# KiCad board control.kicad_pcb (continued)
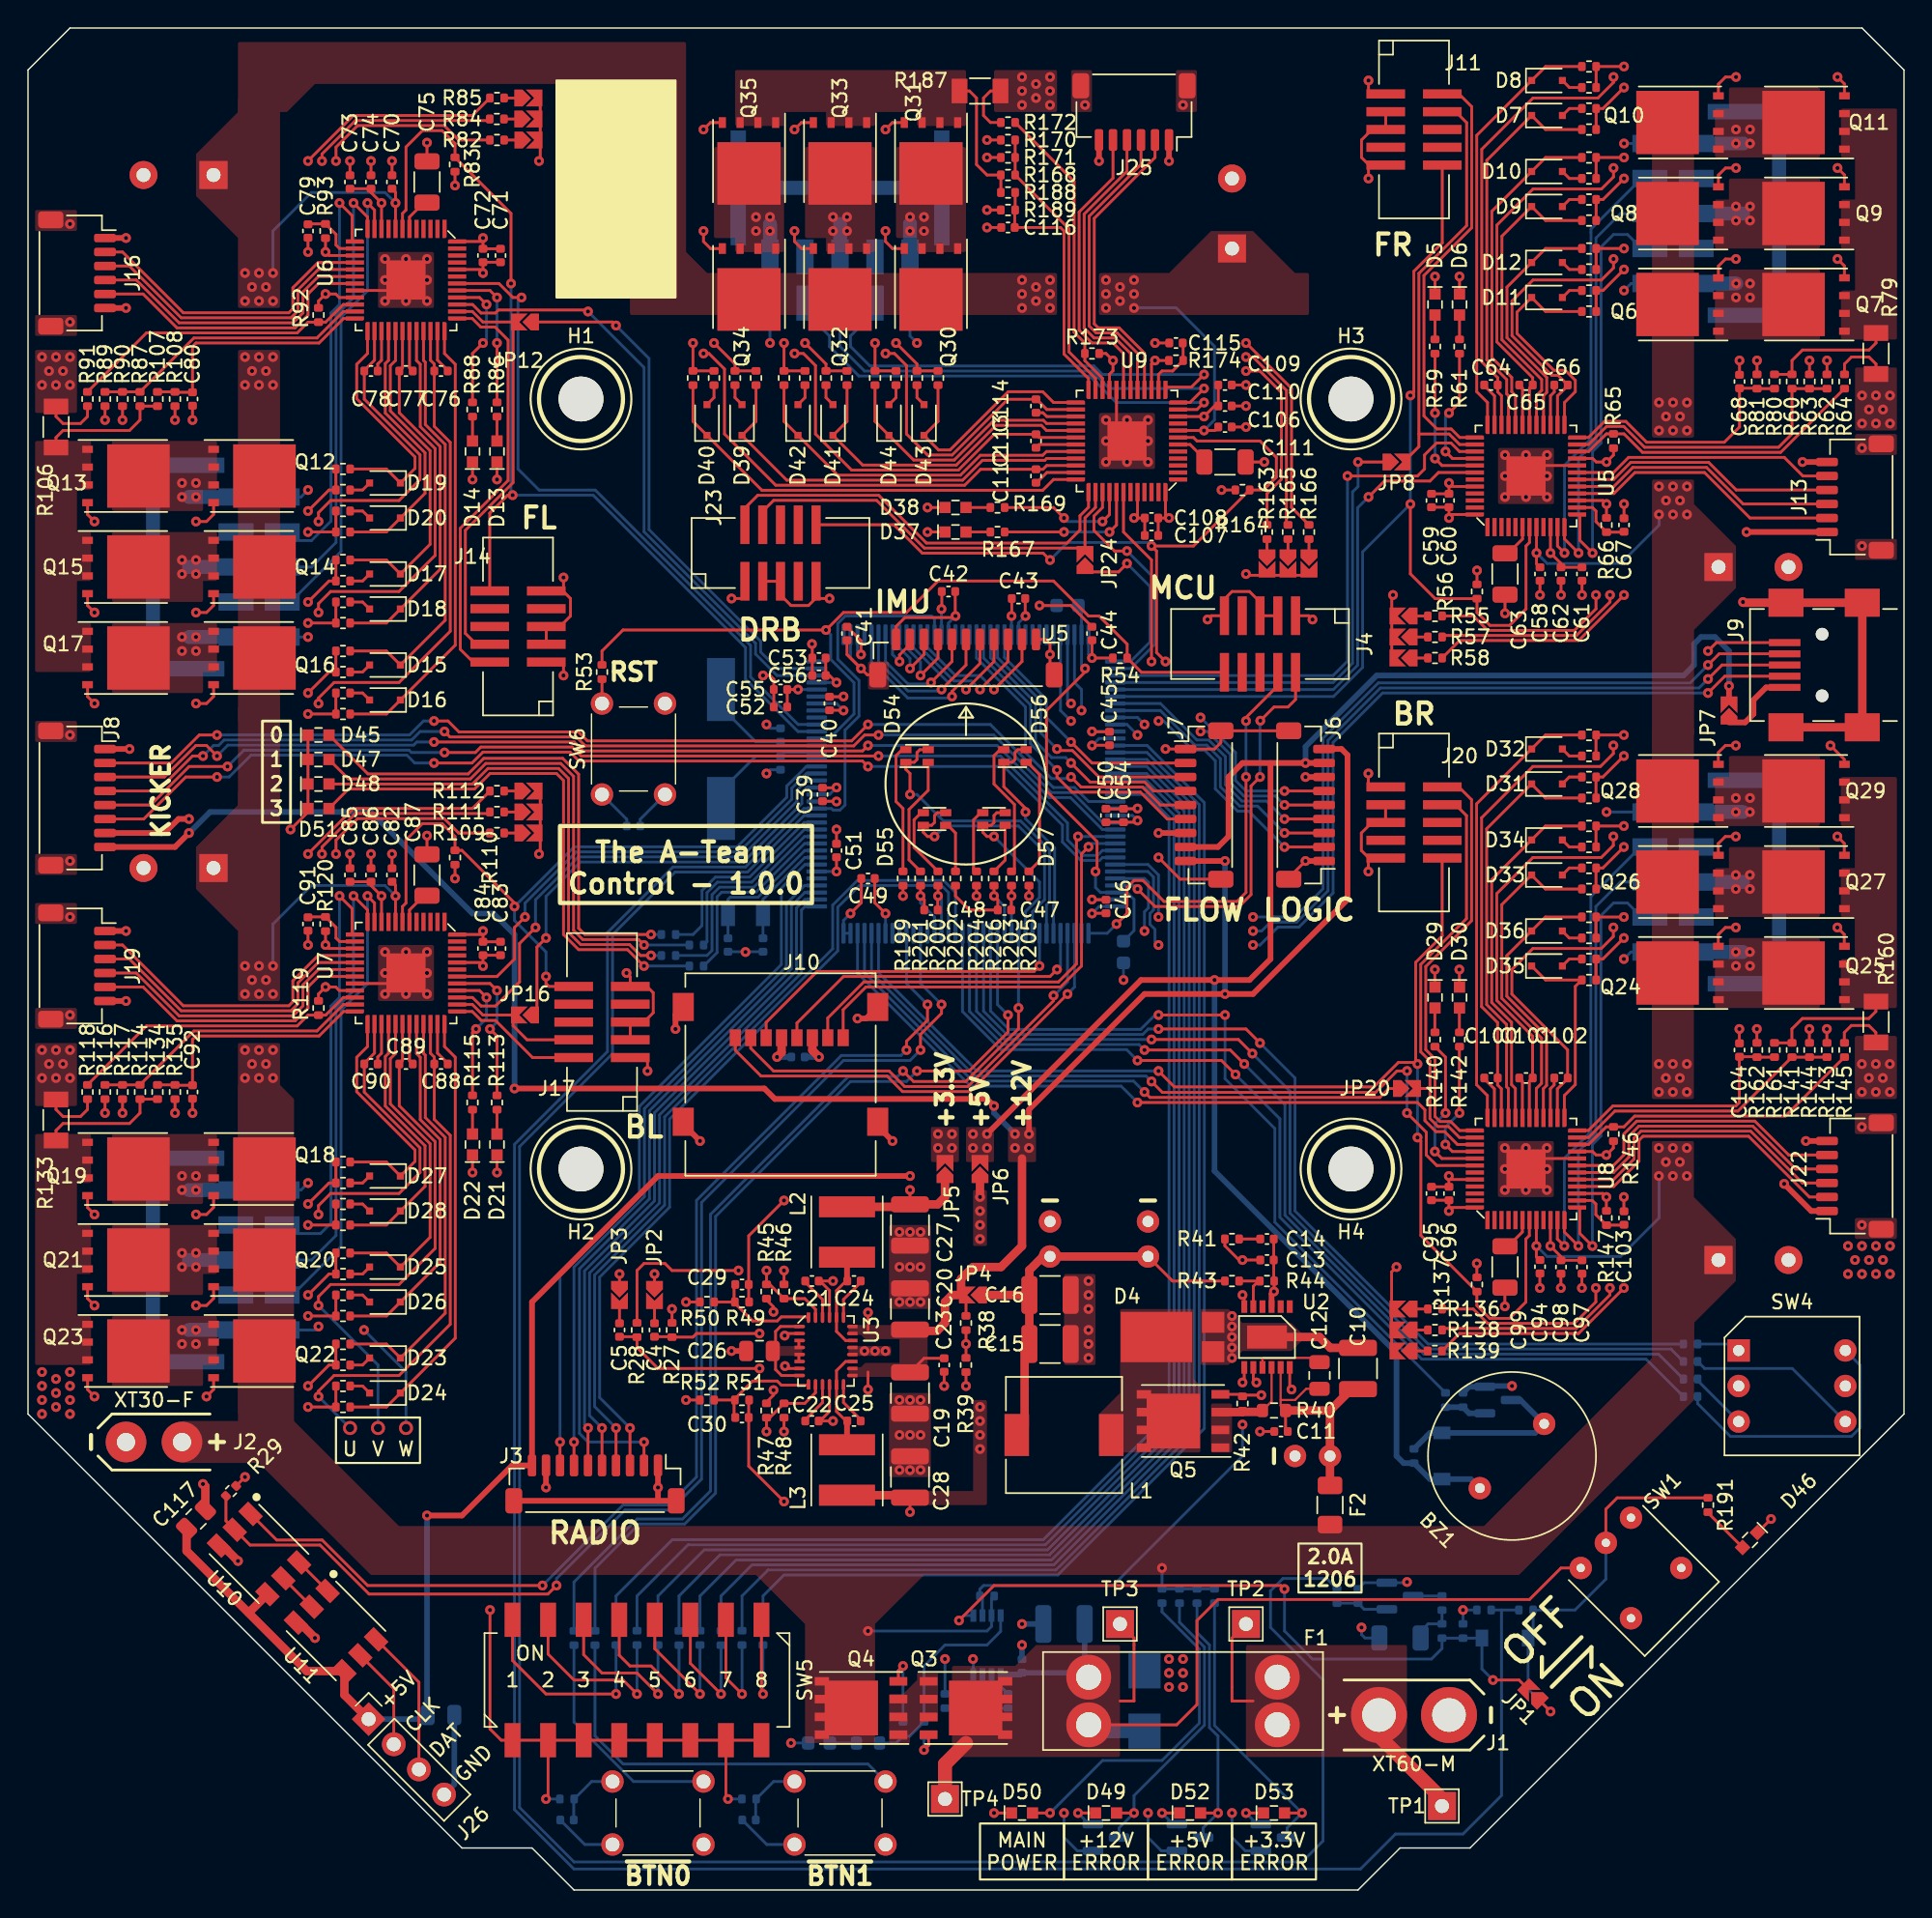
[diagram p0: board, top side]
## Routing (per net, layer and track width the routed paths; a pad name or vN(x,y) marks a point on that pad's centre or on a via; arc(x,y) is an arc through that point) (continued)
/MCU/IMU.~{SS}1: length 4
  Top w0.2: v1(62.25,87.75) 62.25,88.22 63,88.97 J5.10
  Bottom w0.2: U4.44 61.75,88.25 v1(62.25,87.75)
/MCU/IMU.~{SS}2: length 5.2
  Top w0.2: v1(63,87.25) 64,88.25 J5.9
  Bottom w0.2: v1(63,87.25) 63,87.96 62.25,88.71 U4.45
/MCU/IMU.~{SS}3: length 6.4
  Top w0.2: v1(63.75,86.75) 65,88 J5.8
  Bottom w0.2: U4.46 62.75,88.72 63.75,87.72 v1(63.75,86.75)
/MCU/KICKER.BOOT0/KICK: length 78.1
  Top w0.2: v1(29.75,81.25) 31.95,81.25 32.34,81.64 38.87,81.64 39.51,81 v1(60.75,81) ; J8.5 8.76,77.5 11.51,80.25 v1(14.25,80.25)
  Bottom w0.2: U4.100 76.74,74.25 76.39,73.9 75.36,73.9 74.25,75 74.25,76.21 69.46,81 v1(60.75,81) ; v1(29.75,81.25) 27.38,81.25 27.21,81.42 15.42,81.42 v1(14.25,80.25)
/MCU/KICKER.DET: length 76.8
  Top w0.2: v1(13.5,82.5) 12.23,82.5 10.23,80.5 J8.2 ; v1(60,83.25) 58.83,82.08 39.96,82.08 39.32,82.72 30.78,82.72 30,83.5 v1(29,83.5)
  Bottom w0.2: v1(29,83.5) 28.25,83.5 27.25,82.5 v1(13.5,82.5) ; U4.93 75.76,77.75 74.76,78.75 73.24,78.75 68.74,83.25 v1(60,83.25)
/MCU/KICKER.RX/FAULT: length 76.7
  Top w0.2: J8.3 9.74,79.5 11.99,81.75 12.75,81.75 v1(13.5,81) ; v1(29,82) 39.02,82 39.66,81.36 59.61,81.36 v1(60,81.75)
  Bottom w0.2: v1(60,81.75) 69.22,81.75 72.94,78.03 74.46,78.03 76.74,75.75 U4.97 ; v1(13.5,81) 14.28,81.78 27.55,81.78 27.77,82 v1(29,82)
/MCU/KICKER.TX/CHIP: length 77.3
  Top w0.2: v1(12.5,81) 11.75,81 9.25,78.5 J8.4 ; v1(29.75,82.75) 30.14,82.36 39.17,82.36 39.81,81.72 58.98,81.72 59.76,82.5 v1(60.75,82.5)
  Bottom w0.2: v1(29.75,82.75) 28.01,82.75 27.4,82.14 14,82.14 13.61,81.75 13.25,81.75 v1(12.5,81) ; U4.96 76.75,76.25 74.61,78.39 73.09,78.39 68.98,82.5 v1(60.75,82.5)
/MCU/KICKER.~{RST}/CHG: length 78.6
  Top w0.2: v1(13.5,79.5) 11.27,79.5 8.27,76.5 J8.6 ; v1(60,80.25) 59.61,80.64 39.36,80.64 38.72,81.28 32.49,81.28 31.71,80.5 v1(29,80.5)
  Bottom w0.2: v1(60,80.25) 69.7,80.25 73.89,76.06 73.89,74.86 75.21,73.54 76.54,73.54 76.75,73.75 U4.101 ; v1(29,80.5) 27.62,80.5 27.06,81.06 15.92,81.06 14.36,79.5 v1(13.5,79.5)
/MCU/LOGIC.CK: length 19.5
  Top w0.2: J6.4 v1(89.75,76.5)
  Bottom w0.2: U4.79 80.89,84.75 83.5,82.14 84.34,82.14 85.53,80.95 85.53,78.95 86.7,77.78 88.47,77.78 v1(89.75,76.5)
/MCU/LOGIC.NSS: length 19.7
  Top w0.2: J6.3 v1(89.75,75.5)
  Bottom w0.2: v1(89.75,75.5) 87.83,77.42 86.55,77.42 85.17,78.8 85.17,80.8 84.19,81.78 83.35,81.78 80.88,84.25 U4.80
/MCU/LOGIC.RX: length 27.1
  Top w0.2: v1(89.75,77.5) J6.5
  In2.Cu w0.2: v1(83.75,82.75) 82,84.5 75.5,84.5 v1(75.25,84.25)
  Bottom w0.2: U4.70 74.75,86.25 75.25,85.75 v1(75.25,84.25) ; v1(83.75,82.75) 84.24,82.75 85.89,81.1 85.89,79.1 86.85,78.14 89.11,78.14 v1(89.75,77.5)
/MCU/LOGIC.TX: length 26.9
  Top w0.2: v1(89.75,78.5) J6.6
  In2.Cu w0.2: v1(74.5,84.75) 74.61,84.86 82.64,84.86 v1(83.75,83.75)
  Bottom w0.2: U4.69 74.25,85 v1(74.5,84.75) ; v1(89.75,78.5) 87,78.5 86.25,79.25 86.25,81.25 v1(83.75,83.75)
/MCU/LOGIC.~{DET}: length 30
  Top w0.2: J6.2 v1(89.75,74.5)
  In2.Cu w0.2: v1(74.5,83.5) 74.64,83.64 75.5,83.64 76,84.14 80.11,84.14 v1(80.75,83.5)
  Bottom w0.2: v1(80.75,83.5) 81.12,83.5 83.2,81.42 84.04,81.42 84.81,80.65 84.81,78.65 86.4,77.06 87.19,77.06 v1(89.75,74.5) ; v1(74.5,83.5) 73.75,84.25 U4.68
/MCU/MOTOR_{BL}.BOOT0: length 34.1
  Top w0.2: v1(35.5,69.5) 34.75,68.75 34.75,66.5 33.5,65.25 U7.42
  Bottom w0.2: v1(35.5,69.5) 35.5,70.49 39.16,74.15 50.8,74.15 54.56,77.91 54.56,78.7 55.61,79.75 U4.20
/MCU/MOTOR_{BL}.RX: length 31.8
  Top w0.2: v1(37,68) 36.35,67.35 JP16.1
  Bottom w0.2: U4.18 55.63,78.75 55.28,78.4 55.28,77.61 51.1,73.43 39.46,73.43 37,70.97 v1(37,68)
/MCU/MOTOR_{BL}.TX: length 35.8
  Top w0.2: v1(36.25,68.75) 35.11,67.61 35.11,64.86 33.39,63.14 32.36,63.14 31.75,63.75 U7.39
  Bottom w0.2: v1(36.25,68.75) 36.25,70.73 39.31,73.79 50.95,73.79 54.92,77.76 54.92,78.55 55.62,79.25 U4.19
/MCU/MOTOR_{BL}.~{RST}: length 52.1
  Top w0.2: v1(34.75,70.25) 34.75,70.5 30.99,74.26 R110.2 30.5,75.25 29.58,76.17 28.17,76.17 27,75 27,70.5 26.75,70.25 U7.7 ; v1(37,65.25) 37,64.75 37.21,64.54 J17.10
  Bottom w0.2: v1(37,65.25) 37,67 34.75,69.25 v1(34.75,70.25) 39.01,74.51 50.65,74.51 54.2,78.06 54.2,78.85 55.6,80.25 U4.21
/MCU/MOTOR_{BR}.BOOT0: length 55.6
  Top w0.2: U8.42 100.63,51.75 99.88,52.5 99.88,54.12 v1(98.5,55.5) ; v1(98.5,58.5) 97.78,58.5 96.25,56.97 81.03,56.97 v1(80.25,57.75)
  Bottom w0.2: U4.140 60.25,65.52 67.63,58.14 79.86,58.14 v1(80.25,57.75) ; v1(98.5,55.5) v1(98.5,58.5)
/MCU/MOTOR_{BR}.RX: length 44.7
  Top w0.2: v1(79.75,57) 80.14,56.61 96.56,56.61 97.2,57.25 JP20.1
  Bottom w0.2: U4.141 59.75,65.51 67.48,57.78 78.97,57.78 v1(79.75,57)
/MCU/MOTOR_{BR}.TX: length 52.5
  Top w0.2: v1(79.25,56.25) 99.25,56.25 99.78,55.72 99.78,54.95 100.56,54.17 101.18,54.17 102.1,53.25 U8.39
  Bottom w0.2: v1(79.25,56.25) 78.08,57.42 67.33,57.42 59.25,65.5 U4.142
/MCU/MOTOR_{BR}.~{RST}: length 90.3
  Top w0.2: v1(99.25,53.75) 99.49,53.51 99.49,46.75 103.49,42.75 103.49,41.75 104.41,40.83 105.82,40.83 106.99,42 106.99,46.5 107.24,46.75 107.24,47.85 ; v1(80.75,58.5) 81.89,57.36 96.14,57.36 97.88,59.11 99.14,59.11 v1(99.25,59) 99.12,59.13 99.12,66.26 101.01,68.15 101.01,73.71
  Bottom w0.2: v1(80.75,58.5) 67.78,58.5 60.75,65.53 U4.139 ; v1(99.25,59) v1(99.25,53.75)
/MCU/MOTOR_{DRB}.BOOT0: length 20.6
  Top w0.2: U9.42 78.25,97 80.25,95 v1(80.25,87.75)
  In1.Cu w0.2: v1(80.25,87.75) 80.25,86.01 79.39,85.15 79.39,83.75 79.14,83.5 79.14,82.61 v1(79.25,82.5)
  Bottom w0.2: U4.82 78.5,83.25 v1(79.25,82.5)
/MCU/MOTOR_{DRB}.RX: length 12.6
  Top w0.2: JP24.1 77.9,94.15 v1(78.5,94.75)
  Bottom w0.2: v1(78.5,94.75) 80.14,93.11 80.14,89.14 78.75,87.75 U4.73
/MCU/MOTOR_{DRB}.TX: length 17
  Top w0.2: v1(78.5,95.64) 77.61,95.64 76.14,97.11 76.14,98.14 76.75,98.75 U9.39
  Bottom w0.2: v1(78.5,95.64) 80.5,93.64 80.5,88.99 78.76,87.25 U4.74
/MCU/MOTOR_{DRB}.~{RST}: length 61.7
  Top w0.2: v1(73,95) 72.51,95.49 63.88,95.49 61.85,97.52 J23.10 ; v1(81.25,87.75) 80.61,88.39 80.61,95.64 v1(80.25,96) 83.25,96 87.25,100 R164.2 88.25,100 89.17,100.92 89.17,102.33 88,103.5 83.5,103.5 83.25,103.75 U9.7
  In1.Cu w0.2: v1(81.25,87.75) 81.25,86.5 79.75,85 v1(79.75,83.25)
  Bottom w0.2: U4.81 79.25,83.75 v1(79.75,83.25) ; v1(73,95) 74.25,96.25 80,96.25 v1(80.25,96)
/MCU/MOTOR_{FL}.BOOT0: length 47.6
  Top w0.2: U6.42 33.64,114.75 34.64,113.75 v1(35.25,113.75)
  Bottom w0.2: v1(35.25,113.75) 35,113.5 35,101.5 36.51,99.99 40.52,99.99 51.61,88.9 51.61,86.65 55.01,83.25 U4.27
/MCU/MOTOR_{FL}.RX: length 37.8
  Top w0.2: JP12.1 41.75,112 v1(42,111.75)
  Bottom w0.2: U4.35 53.51,87.25 52.33,88.43 52.33,89.2 44.36,97.17 44.36,109.39 v1(42,111.75)
/MCU/MOTOR_{FL}.TX: length 44.2
  Top w0.2: U6.39 31.75,113.25 32.36,112.64 33.39,112.64 33.61,112.86 39.89,112.86 v1(40,112.75)
  Bottom w0.2: v1(40,112.75) 44,108.75 44,97.02 51.97,89.05 51.97,88.28 53.5,86.75 U4.34
/MCU/MOTOR_{FL}.~{RST}: length 74.9
  Top w0.2: J14.10 32.98,98.35 34.26,99.63 v1(34.62,99.63) ; U6.7 26.75,119.75 27,120 27,124.5 28.17,125.67 29.58,125.67 30.5,124.75 R83.2 30.5,123.75 34.5,119.75 v1(34.5,114.75)
  Bottom w0.2: v1(34.5,114.75) 34.5,99.75 v1(34.62,99.63) 40.37,99.63 51.25,88.75 51.25,86.5 55,82.75 U4.26
/MCU/MOTOR_{FR}.BOOT0: length 38.7
  Top w0.2: v1(95.75,99.5) 96.89,100.64 100.14,100.64 100.75,101.25 U5.42
  Bottom w0.2: U4.77 93.24,85.75 94.97,87.48 94.97,98.72 v1(95.75,99.5)
/MCU/MOTOR_{FR}.RX: length 34.7
  Top w0.2: 97.65,102 v1(95,102)
  Bottom w0.2: v1(95,102) 95,100.25 94.61,99.86 94.61,87.63 93.23,86.25 U4.76
/MCU/MOTOR_{FR}.TX: length 41.2
  Top w0.2: U5.39 102.25,102.75 101.64,103.36 100.61,103.36 99.75,102.5 99.75,101.5 99.25,101 v1(94.25,101)
  Bottom w0.2: v1(94.25,101) 94.25,87.78 93.22,86.75 U4.75
/MCU/MOTOR_{FR}.~{RST}: length 78.5
  Top w0.2: U5.7 107.25,96.25 107,96 107,91.5 105.83,90.33 104.42,90.33 103.5,91.25 R56.2 100.51,92.24 98.74,94.01 v1(98.74,98.99) ; J11.10 101.02,117.65 98.99,115.62 98.99,107 v1(98.74,106.75)
  Bottom w0.2: v1(98.74,106.75) v1(98.74,98.99) 95.33,95.58 95.33,87.33 93.25,85.25 U4.78
/MCU/MotorBL/ENCODER_{A}: length 21.7
  Top w0.2: U7.17 20.73,66.25 19.28,64.8 19.28,63.3 18.78,62.8 10.94,62.8 7.24,66.5 J19.3
/MCU/MotorBL/ENCODER_{B}: length 21.4
  Top w0.2: U7.18 20.74,65.75 19.64,64.65 19.64,63.15 18.93,62.44 10.79,62.44 7.73,65.5 J19.4
/MCU/MotorBL/ENCODER_{Z}: length 21
  Top w0.2: J19.5 8.22,64.5 10.64,62.08 19.08,62.08 20,63 20,64.5 20.75,65.25 U7.19
/MCU/MotorBL/ENCODER_{~{DET}}: length 22
  Top w0.2: U7.16 20.72,66.75 18.92,64.95 18.92,63.45 18.63,63.16 11.09,63.16 6.75,67.5 J19.2
/MCU/MotorBL/HALL_{1}: length 50.3
  Top w0.2: v1(22,74) 22,74.99 23.54,76.53 29.73,76.53 30.76,75.5 R109.2 ; v1(24.25,71) 24.75,70.5 24.75,69.35
  In2.Cu w0.2: v1(22,74) 22,73.25 v1(24.25,71)
  Bottom w0.2: v1(24.25,71) 24.25,64.73 22.36,62.84 22.36,45.97 18.9,42.5 J18.4
/MCU/MotorBL/HALL_{2}: length 48.9
  Top w0.2: 32.98,77 32.87,76.89 23.39,76.89 21,74.5 v1(21,74) ; 24.25,69.35 24.25,70 v1(23.25,71)
  In2.Cu w0.2: v1(21,74) 21,73.25 v1(23.25,71)
  Bottom w0.2: J18.3 20.25,45 22,46.75 22,62.99 23.25,64.24 v1(23.25,71)
/MCU/MotorBL/HALL_{3}: length 49.6
  Top w0.2: v1(20,74) 20,74.01 23.24,77.25 31.75,77.25 32.99,78.49 R112.2 ; v1(22.25,71) 23.15,70.1 23.15,68.25
  In2.Cu w0.2: v1(22.25,71) 20,73.25 v1(20,74)
  Bottom w0.2: v1(22.25,71) 22.25,63.75 21.64,63.14 21.64,47.64 20.89,46.89 19.23,46.89 18.62,47.5 J18.2
/MCU/MotorBL/I_{SENSE(AMPLIFIED)}: length 9.6
  Top w0.2: R119.2 20.75,64 v1(21.25,64.5) 21.98,64.5 22.23,64.25 U7.21 ; R120.1 v1(21.25,67.5) 21.5,67.25 U7.15
  In2.Cu w0.2: v1(21.25,67.5) v1(21.25,64.5)
/MCU/MotorBL/I_{SENSE(FILTERED)}: length 4.5
  Top w0.2: C91.1 20.03,69.51 R120.2 22,68.76 22,68 22.25,67.75 U7.14
/MCU/MotorBL/I_{SENSE(RAW)}: length 9.5
  Top w0.2: R133.1 2,54.25 2.5,54.75 7.25,54.75 8,55.5 R114.1 R134.1
/MCU/MotorBL/MOTOR_{U}: length 51.1
  Top w0.2: U7.34 28.75,59.77 29.02,59.5 C88.2 29.02,55.04 30.16,53.9 30.16,40.41 26.5,36.75 21.86,36.75 20.75,35.64 v1(20.75,35.25)
  In2.Cu w0.2: v1(12,39) 17.86,39 20.75,36.11 v1(20.75,35.25)
  Bottom w0.2: v1(20.75,35.25) v2(23,33)
  Bottom w1: J18.10 11.5,40
  vias: v1(11,40) v1(11,39) v1(12,40)
/MCU/MotorBL/MOTOR_{V}: length 51.8
  Top w0.2: v1(20.75,41.75) 20.75,42.39 21.61,43.25 26.5,43.25 29.08,45.83 29.08,53.46 26.52,56.02 C89.2 26.75,59.23 U7.30
  In2.Cu w0.2: v1(12,44.5) 18.86,44.5 20.75,42.61 v1(20.75,41.75)
  Bottom w0.2: v2(25,33) 25,37.5 v1(20.75,41.75)
  Bottom w1: J18.8 11.5,45
  vias: v1(11,45.5) v1(11,44.5) v1(12,45.5)
/MCU/MotorBL/MOTOR_{W}: length 53.2
  Top w0.2: U7.26 24.75,59.78 24.02,59.05 C90.2 24.02,56.99 28,53.01 28,51.25 26.5,49.75 21.61,49.75 20.75,48.89 v1(20.75,48.25)
  In1.Cu w0.2: v1(24,40) 23,40 22,41 22,47 v1(20.75,48.25)
  In2.Cu w0.2: v1(20.75,48.25) 20.75,49.11 20.25,49.61 12.39,49.61 v1(12,50)
  Bottom w0.2: v2(27,33) 27,37 v1(24,40)
  Bottom w1: J18.6 11.5,50
  vias: v1(11,51) v1(11,50) v1(12,51)
/MCU/MotorBL/SWDCLK: length 9.8
  Top w0.2: U7.38 31.74,63.25 32.49,62.5 JP16.2 34.65,61.73 35.65,60.73 J17.4
/MCU/MotorBL/SWDIO: length 9.7
  Top w0.2: U7.37 31.73,62.75 32.37,62.11 33.39,62.11 36.04,59.46 J17.2
/MCU/MotorBR/ENCODER_{A}: length 21.7
  Top w0.2: 110.64,50.75 113.26,50.75 114.71,52.2 114.71,53.7 115.21,54.2 123.05,54.2 126.75,50.5 128.49,50.5
/MCU/MotorBR/ENCODER_{B}: length 21.4
  Top w0.2: 128.49,51.5 126.26,51.5 123.2,54.56 115.06,54.56 114.35,53.85 114.35,52.35 113.25,51.25 110.64,51.25
/MCU/MotorBR/ENCODER_{Z}: length 21
  Top w0.2: 128.49,52.5 125.77,52.5 123.35,54.92 114.91,54.92 113.99,54 113.99,52.5 113.24,51.75 110.64,51.75
/MCU/MotorBR/ENCODER_{~{DET}}: length 22
  Top w0.2: 128.49,49.5 127.24,49.5 122.9,53.84 115.36,53.84 115.07,53.55 115.07,52.05 113.27,50.25 110.64,50.25
/MCU/MotorBR/HALL_{1}: length 50.3
  Top w0.2: v1(111.99,43) 111.99,42.01 110.45,40.47 104.26,40.47 103.23,41.5 R136.2 ; 109.24,47.65 109.24,46.5 v1(109.74,46)
  In2.Cu w0.2: 109.75,46 112,43.75 112,43
  Bottom w0.2: J21.4 115.18,74.5 111.63,70.95 111.63,54.16 109.74,52.27 v1(109.74,46)
/MCU/MotorBR/HALL_{2}: length 48.9
  Top w0.2: v1(112.99,43) 112.99,42.5 110.6,40.11 101.12,40.11 R138.2 ; v1(110.74,46) 109.74,47 109.74,47.65
  In2.Cu w0.2: 113,43 113,43.75 110.75,46
  Bottom w0.2: J21.3 113.74,72 111.99,70.25 111.99,54.01 110.74,52.76 v1(110.74,46)
/MCU/MotorBR/HALL_{3}: length 50.1
  Top w0.2: v1(113.99,43) 113.99,42.99 110.75,39.75 102.25,39.75 R139.2 ; 110.84,48.75 110.84,46.9 v1(111.74,46)
  In2.Cu w0.2: 111.75,46 114,43.75 114,43
  Bottom w0.2: J21.2 115.25,69.5 114.25,70.5 113.25,70.5 112.35,69.6 112.35,53.86 111.74,53.25 v1(111.74,46)
/MCU/MotorBR/I_{SENSE(AMPLIFIED)}: length 9.6
  Top w0.2: 112.74,48.51 v1(112.74,49.5) 112.49,49.75 110.64,49.75 ; 113.24,53.49 113.24,53 v1(112.74,52.5) 112.01,52.5 111.76,52.75 110.64,52.75
  In2.Cu w0.2: 112.75,49.5 112.75,52.5
/MCU/MotorBR/I_{SENSE(FILTERED)}: length 4.5
  Top w0.2: 110.64,49.25 111.74,49.25 111.99,49 111.99,48.24 112.74,47.49 113.96,47.49 113.99,47.52
/MCU/MotorBR/I_{SENSE(RAW)}: length 9.5
  Top w0.2: 131.99,63.46 131.99,62.75 131.49,62.25 126.74,62.25 125.99,61.5 125.99,60.51 124.74,60.51
/MCU/MotorBR/MOTOR_{U}: length 47.2
  Top w0.2: v1(113.24,81.75) 113.24,81.18 112.31,80.25 107.49,80.25 103.83,76.59 103.83,63.1 104.97,61.96 104.97,57.5 105.24,57.23 105.24,55.15
  In2.Cu w0.2: 122,78 115.94,78 113.25,80.69 113.25,81.75
  Bottom w1: 120.13,77 122.49,77
  vias: v1(121.99,78) v1(121.99,77) v1(123,78) v1(122.99,77)
/MCU/MotorBR/MOTOR_{V}: length 40.4
  Top w0.2: 107.24,55.15 107.24,57.77 107.47,58 107.47,60.98 104.91,63.54 104.91,71.17 107.49,73.75 112.38,73.75 113.24,74.61 v1(113.24,75.25)
  In2.Cu w0.2: 113.25,75.25 113.25,74.19 114.94,72.5 122,72.5
  Bottom w1: 120.13,72 122.49,72
  vias: v1(121.99,72.5) v1(121.99,71.5) v1(122.99,72.5) v1(122.99,71.5)
/MCU/MotorBR/MOTOR_{W}: length 33.8
  Top w0.2: 109.24,55.15 109.24,57.22 109.97,57.95 109.97,60.01 105.99,63.99 105.99,65.75 107.49,67.25 112.38,67.25 113.24,68.11 v1(113.24,68.75)
  In2.Cu w0.2: 113.25,68.75 113.25,67.75 113.61,67.39 121.61,67.39 122,67
  Bottom w1: 120.13,67 122.49,67
  vias: v1(121.99,67) v1(122,66) v1(122.99,67) v1(123,66)
/MCU/MotorBR/SWDCLK: length 29.9
  Top w0.2: 101.01,77.52 101.97,77.52 102.75,76.74 102.75,69.38 99.48,66.11 99.48,59.87 100.14,59.21 100.14,55.1 100.71,54.53 101.47,54.53 102.25,53.75 103.34,53.75 ; JP20.2 100.14,57.25
/MCU/MotorBR/SWDIO: length 30
  Top w0.2: 101.01,78.79 102.2,78.79 103.11,77.88 103.11,69.23 99.84,65.96 99.84,60.02 100.5,59.36 100.5,55.25 100.86,54.89 101.62,54.89 102.26,54.25 103.34,54.25
/MCU/MotorDRB/ENCODER_{A}: length 21.7
  Top w0.2: J25.3 79.5,123.26 75.8,119.56 75.8,111.72 76.3,111.22 77.8,111.22 79.25,109.77 U9.17
/MCU/MotorDRB/ENCODER_{B}: length 21.4
  Top w0.2: J25.4 78.5,122.77 75.44,119.71 75.44,111.57 76.15,110.86 77.65,110.86 78.75,109.76 U9.18
/MCU/MotorDRB/ENCODER_{Z}: length 21
  Top w0.2: U9.19 78.25,109.75 77.5,110.5 76,110.5 75.08,111.42 75.08,119.86 77.5,122.28 J25.5
/MCU/MotorDRB/ENCODER_{~{DET}}: length 22
  Top w0.2: U9.16 79.75,109.78 77.95,111.58 76.45,111.58 76.16,111.87 76.16,119.41 80.5,123.75 J25.2
/MCU/MotorDRB/HALL_{1}: length 51.1
  Top w0.2: v1(87,108.5) 87.99,108.5 89.53,106.96 89.53,100.77 88.5,99.74 88.5,97.52 ; 82.35,105.75 83.5,105.75 v1(84,106.25)
  In2.Cu w0.2: 87,108.51 86.25,108.51 84,106.26
  Bottom w0.2: v1(84,106.25) 77.73,106.25 75.84,108.14 59.35,108.14 57.25,110.24 57.25,111 55.5,112.75 55.5,113.34
/MCU/MotorDRB/HALL_{2}: length 49.8
  Top w0.2: v1(87,109.5) 87.5,109.5 89.89,107.11 89.89,97.63 90,97.52 ; v1(84,107.25) 83,106.25 82.35,106.25
  In2.Cu w0.2: 84,107.26 86.25,109.51 87,109.51
  Bottom w0.2: v1(84,107.25) 77.24,107.25 75.99,108.5 59.75,108.5 58,110.25 58,113.34
/MCU/MotorDRB/HALL_{3}: length 51.8
  Top w0.2: R166.2 90.25,98.76 90.25,107.26 87.01,110.5 v1(87,110.5) ; 81.25,107.35 83.1,107.35 v1(84,108.25)
  In2.Cu w0.2: 84,108.26 86.25,110.51 87,110.51
  Bottom w0.2: v1(84,108.25) 76.75,108.25 76.14,108.86 60.14,108.86 58.75,110.25 58.75,111 60.5,112.75 60.5,113.34
/MCU/MotorDRB/I_{SENSE(AMPLIFIED)}: length 9.6
  Top w0.2: R173.2 77,109.75 v1(77.5,109.25) 77.5,108.52 77.25,108.27 U9.21 ; U9.15 80.25,109 v1(80.5,109.25) R174.1
  In2.Cu w0.2: 80.5,109.26 77.5,109.26
/MCU/MotorDRB/I_{SENSE(FILTERED)}: length 4.5
  Top w0.2: U9.14 80.75,108.25 81,108.5 81.76,108.5 R174.2 82.51,110.47 C115.1
/MCU/MotorDRB/I_{SENSE(RAW)}: length 9.5
  Top w0.2: R187.1 67.25,128.5 67.75,128 67.75,123.25 68.5,122.5 R168.1 R188.1
/MCU/MotorDRB/MOTOR_{U}: length 47.1
  Top w0.2: v1(48.25,109.75) 48.64,109.75 49.75,108.64 49.75,104 53.41,100.34 66.9,100.34 68.04,101.48 C112.2 72.5,101.48 72.77,101.75 U9.34
  In2.Cu w0.2: 52,118.51 52,112.5 49.26,109.76 48.25,109.76
  Bottom w1: 53,116.64 53,119
  vias: v1(52,119.5) v1(52,118.5) v1(53,119.5) v1(53,118.5)
/MCU/MotorDRB/MOTOR_{V}: length 40.4
  Top w0.2: v1(54.75,109.75) 55.39,109.75 56.25,108.89 56.25,104 58.83,101.42 66.46,101.42 69.02,103.98 C113.2 72.23,103.75 U9.30
  In2.Cu w0.2: 54.75,109.76 55.76,109.76 57.5,111.5 57.5,118.51
  Bottom w1: 58,116.64 58,119
  vias: v1(57.5,119.5) v1(57.5,118.5) v1(58.5,119.5) v1(58.5,118.5)
/MCU/MotorDRB/MOTOR_{W}: length 33.8
  Top w0.2: U9.26 72.78,105.75 72.05,106.48 C114.2 69.99,106.48 66.01,102.5 64.25,102.5 62.75,104 62.75,108.89 61.89,109.75 v1(61.25,109.75)
  In2.Cu w0.2: 63,118.51 62.61,118.12 62.61,110.11 62.26,109.76 61.25,109.76
  Bottom w1: 63,116.64 63,119
  vias: v1(63,119.5) v1(63,118.5) v1(64,119.5) v1(64,118.5)
/MCU/MotorDRB/SWDCLK: length 30
  Top w0.2: J23.4 52.48,98.48 53.26,99.26 60.62,99.26 64.03,95.85 JP24.2 75.5,98.01 76.25,98.76 U9.38
/MCU/MotorDRB/SWDIO: length 30.3
  Top w0.2: J23.2 51.21,98.71 52.12,99.62 60.77,99.62 64.18,96.21 74.21,96.21 75.14,97.14 75.14,98.16 75.75,98.77 U9.37
/MCU/MotorFL/ENCODER_{A}: length 21.7
  Top w0.2: U6.17 20.73,115.75 19.28,114.3 19.28,112.8 18.78,112.3 10.94,112.3 7.24,116 J16.3
/MCU/MotorFL/ENCODER_{B}: length 21.4
  Top w0.2: J16.4 7.73,115 10.79,111.94 18.93,111.94 19.64,112.65 19.64,114.15 20.74,115.25 U6.18
/MCU/MotorFL/ENCODER_{Z}: length 21
  Top w0.2: J16.5 8.22,114 10.64,111.58 19.08,111.58 20,112.5 20,114 20.75,114.75 U6.19
/MCU/MotorFL/ENCODER_{~{DET}}: length 22
  Top w0.2: J16.2 6.75,117 11.09,112.66 18.63,112.66 18.92,112.95 18.92,114.45 20.72,116.25 U6.16
/MCU/MotorFL/HALL_{1}: length 50.2
  Top w0.2: v1(24.25,120.5) 24.75,120 24.75,118.85 ; R82.2 30.76,125 29.73,126.03 23.54,126.03 22,124.49 v1(22,123.5)
  In2.Cu w0.2: v1(22,123.5) 22,122.75 v1(24.25,120.5)
  Bottom w0.2: v1(24.25,120.5) 24.25,114.23 22.36,112.34 22.36,95.61 18.75,92 J15.4
/MCU/MotorFL/HALL_{2}: length 48.8
  Top w0.2: v1(23.25,120.5) 24.25,119.5 24.25,118.85 ; R84.2 32.87,126.39 23.39,126.39 21,124 v1(21,123.5)
  In2.Cu w0.2: v1(23.25,120.5) 21,122.75 v1(21,123.5)
  Bottom w0.2: J15.3 20.25,94.5 22,96.25 22,112.49 23.25,113.74 v1(23.25,120.5)
/MCU/MotorFL/HALL_{3}: length 49.2
  Top w0.2: 23.15,117.75 23.15,119.6 v1(22.25,120.5) ; R85.2 31.74,126.75 23.24,126.75 20,123.51 v1(20,123.5)
  In2.Cu w0.2: v1(20,123.5) 20,122.75 v1(22.25,120.5)
  Bottom w0.2: v1(22.25,120.5) 22.25,113.25 21.64,112.64 21.64,97.78 20.25,96.39 18.77,96.39 J15.2
/MCU/MotorFL/I_{SENSE(AMPLIFIED)}: length 9.6
  Top w0.2: U6.15 21.5,116.75 v1(21.25,117) R93.1 ; U6.21 22.23,113.75 21.98,114 v1(21.25,114) 20.75,113.5 R92.2
  In2.Cu w0.2: v1(21.25,117) v1(21.25,114)
/MCU/MotorFL/I_{SENSE(FILTERED)}: length 4.5
  Top w0.2: C79.1 20.03,119.01 R93.2 22,118.26 22,117.5 22.25,117.25 U6.14
/MCU/MotorFL/I_{SENSE(RAW)}: length 9.5
  Top w0.2: R107.1 R87.1 8,105 7.25,104.25 2.5,104.25 2,103.75 R106.1
/MCU/MotorFL/MOTOR_{U}: length 47
  Top w0.2: U6.34 28.75,109.27 29.02,109 C76.2 29.02,104.54 30.16,103.4 30.16,89.91 26.5,86.25 21.86,86.25 20.75,85.14 v1(20.75,84.75)
  In2.Cu w0.2: v1(20.75,84.75) 20.75,85.61 17.86,88.5 v1(12,88.5)
  Bottom w1: 13.86,89.5 11.5,89.5
  vias: v1(11,89.5) v1(11,88.5) v1(12,89.5)
/MCU/MotorFL/MOTOR_{V}: length 40.3
  Top w0.2: U6.30 26.75,108.73 C77.2 26.52,105.52 29.08,102.96 29.08,95.33 26.5,92.75 21.61,92.75 20.75,91.89 v1(20.75,91.25)
  In2.Cu w0.2: v1(12,94) 18.86,94 20.75,92.11 v1(20.75,91.25)
  Bottom w1: 13.86,94.5 11.5,94.5
  vias: v1(11,95) v1(11,94) v1(12,95)
/MCU/MotorFL/MOTOR_{W}: length 33.8
  Top w0.2: U6.26 24.75,109.28 24.02,108.55 C78.2 24.02,106.49 28,102.51 28,100.75 26.5,99.25 21.61,99.25 20.75,98.39 v1(20.75,97.75)
  In2.Cu w0.2: v1(20.75,97.75) 20.75,98.61 20.25,99.11 12.39,99.11 v1(12,99.5)
  Bottom w1: 13.86,99.5 11.5,99.5
  vias: v1(11,100.5) v1(11,99.5) v1(12,100.5)
/MCU/MotorFL/SWDCLK: length 30
  Top w0.2: U6.38 31.74,112.75 32.49,112 JP12.2 34.65,100.53 31.24,97.12 31.24,89.76 32.02,88.98 J14.4
/MCU/MotorFL/SWDIO: length 30.3
  Top w0.2: J14.2 31.79,87.71 30.88,88.62 30.88,97.27 34.29,100.68 34.29,110.71 33.36,111.64 32.34,111.64 31.73,112.25 U6.37
/MCU/MotorFR/ENCODER_{A}: length 19.5
  Top w0.2: J13.3 122.51,99 119.9,101.61 114.63,101.61 113.27,100.25 U5.17
/MCU/MotorFR/ENCODER_{B}: length 19.2
  Top w0.2: J13.4 122.02,100 120.05,101.97 114.48,101.97 113.26,100.75 U5.18
/MCU/MotorFR/ENCODER_{Z}: length 18.8
  Top w0.2: U5.19 113.25,101.25 114.33,102.33 125.45,102.33 126.78,101 J13.5
/MCU/MotorFR/ENCODER_{~{DET}}: length 19.8
  Top w0.2: U5.16 113.28,99.75 114.78,101.25 119.75,101.25 123,98 J13.2
/MCU/MotorFR/HALL_{1}: length 48.4
  Top w0.2: v1(112,92.5) 112,91.51 110.46,89.97 104.27,89.97 103.24,91 101.02,91 ; 109.25,97.15 109.25,96 v1(109.75,95.5)
  In2.Cu w0.2: 109.76,95.5 112.01,93.25 112.01,92.5
  Bottom w0.2: J12.4 115.25,122.25 111.64,118.64 111.64,118.4 ; v1(109.75,95.5) 109.75,101.77 111.64,103.66 111.64,118.39
/MCU/MotorFR/HALL_{2}: length 48.1
  Top w0.2: v1(110.75,95.5) 109.75,96.5 109.75,97.15 ; 101.02,89.5 101.13,89.61 110.61,89.61 113,92 v1(113,92.5)
  In2.Cu w0.2: 110.76,95.5 113.01,93.25 113.01,92.5
  Bottom w0.2: v1(110.75,95.5) 110.75,102.26 112,103.51 112,118 113.75,119.75 116.84,119.75
/MCU/MotorFR/HALL_{3}: length 48.3
  Top w0.2: v1(114,92.5) 114,92.49 110.76,89.25 102.26,89.25 R58.2 ; 110.85,98.25 110.85,96.4 v1(111.75,95.5)
  In2.Cu w0.2: 114.01,92.5 114.01,93.25 111.76,95.5
  Bottom w0.2: J12.2 115.25,117.25 114.25,118.25 113.25,118.25 112.36,117.36 112.36,103.36 111.75,102.75 v1(111.75,95.5)
/MCU/MotorFR/I_{SENSE(AMPLIFIED)}: length 9.6
  Top w0.2: R65.2 113.25,102.5 v1(112.75,102) 112.02,102 111.77,102.25 U5.21 ; U5.15 112.5,99.25 v1(112.75,99) R66.1
  In2.Cu w0.2: 112.76,99 112.76,102
/MCU/MotorFR/I_{SENSE(FILTERED)}: length 4.5
  Top w0.2: U5.14 111.75,98.75 112,98.5 112,97.74 R66.2 113.97,96.99 C67.1
/MCU/MotorFR/I_{SENSE(RAW)}: length 9.5
  Top w0.2: R80.1 R60.1 126,109.25 126.75,110 131.5,110 132,110.5 R79.1
/MCU/MotorFR/MOTOR_{U}: length 46.3
  Top w0.2: U5.34 105.25,106.73 104.98,107 C64.2 104.98,108.02 103.84,109.16 103.84,124.34 107.5,128 112.14,128 113.25,129.11 v1(113.25,129.5)
  In2.Cu w0.2: 113.26,129.5 113.26,128.49 116,125.75 122.01,125.75
  Bottom w1: J12.10 122.5,124.75
  vias: v1(122,125.75) v1(122,124.75) v1(123,125.75) v1(123,124.75)
/MCU/MotorFR/MOTOR_{V}: length 39.6
  Top w0.2: v1(113.25,123) 113.25,122.36 112.39,121.5 107.5,121.5 104.92,118.92 104.92,110.58 107.48,108.02 C65.2 107.25,107.27 U5.30
  In2.Cu w0.2: 122.01,120.25 115,120.25 113.26,121.99 113.26,123
  Bottom w1: J12.8 122.5,119.75
  vias: v1(122,120.25) v1(122,119.25) v1(123,120.25) v1(123,119.25)
/MCU/MotorFR/MOTOR_{W}: length 32.8
  Top w0.2: v1(113.25,116.5) 113.25,115.86 112.39,115 107.5,115 106,113.5 106,111.03 108.84,108.19 109.29,108.19 C66.2 109.98,107.45 109.25,106.72 U5.26
  In2.Cu w0.2: v1(122.01,114.75) 121.62,115.14 113.68,115.14 113.26,115.56 113.26,116.5
  Bottom w1: v1(122.01,114.75) J12.6
  vias: v1(122,113.75) v1(123,114.75) v1(123,113.75)
/MCU/MotorFR/SWDCLK: length 32.3
  Top w0.2: U5.38 102.26,103.25 101.51,104 99.35,104 ; J11.4 101.98,127.02 102.76,126.24 102.76,118.88 99.35,115.47 99.35,104 ; 99.35,104 99.35,103.1 98.6,102.35 JP8.2
/MCU/MotorFR/SWDIO: length 30.3
  Top w0.2: U5.37 102.27,103.75 101.66,104.36 100.64,104.36 99.71,105.29 99.71,115.32 103.12,118.73 103.12,127.38 102.21,128.29 J11.2
/MCU/RADIO.BOOT0: length 49.1
  Top w0.2: J3.7 v1(39,32)
  Bottom w0.2: U4.4 55.47,71.75 54.17,70.45 54.17,65.96 44.03,55.82 44.03,49.52 39,44.49 v1(39,32)
/MCU/RADIO.CTS: length 60.5
  Top w0.2: J3.4 v1(42,33)
  Bottom w0.2: U4.128 66.25,71.26 65.4,72.11 59.24,72.11 57.48,70.35 57.48,67.23 45.47,55.22 45.47,48.92 40.47,43.92 40.47,34.53 v1(42,33)
/MCU/RADIO.RTS: length 59.5
  Top w0.2: J3.3 v1(43,33)
  Bottom w0.2: v1(43,33) 40.83,35.17 40.83,43.78 45.83,48.78 45.83,55.07 57.84,67.08 57.84,70.2 59.39,71.75 65.25,71.75 65.75,71.25 U4.129
/MCU/RADIO.RX: length 47.5
  Top w0.2: J3.5 v1(41,33)
  Bottom w0.2: v1(41,33) 40.11,33.89 40.11,44.07 45.11,49.07 45.11,55.37 55.25,65.51 55.25,70 55.5,70.25 U4.1
/MCU/RADIO.TX: length 47.9
  Top w0.2: J3.6 v1(40,33)
  Bottom w0.2: v1(40,33) 39.75,33.25 39.75,44.22 44.75,49.22 44.75,55.52 54.89,65.66 54.89,70.15 55.49,70.75 U4.2
/MCU/RADIO.~{DET}: length 52.7
  Top w0.2: J3.2 v1(44,32)
  Bottom w0.2: v1(44,32) 40,32 39.39,32.61 39.39,44.37 44.39,49.37 44.39,55.67 54.53,65.81 54.53,70.3 55.48,71.25 U4.3
